# Altium PCB final.PcbDoc
Units mm, origin at the board's own origin, x right, y up, seen from the top; angles counter-clockwise.
Board outline 80 x 40 mm, 2 copper layers (Top Layer, Bottom Layer); 45 components, 26 nets, 122 pads, 20 vias.
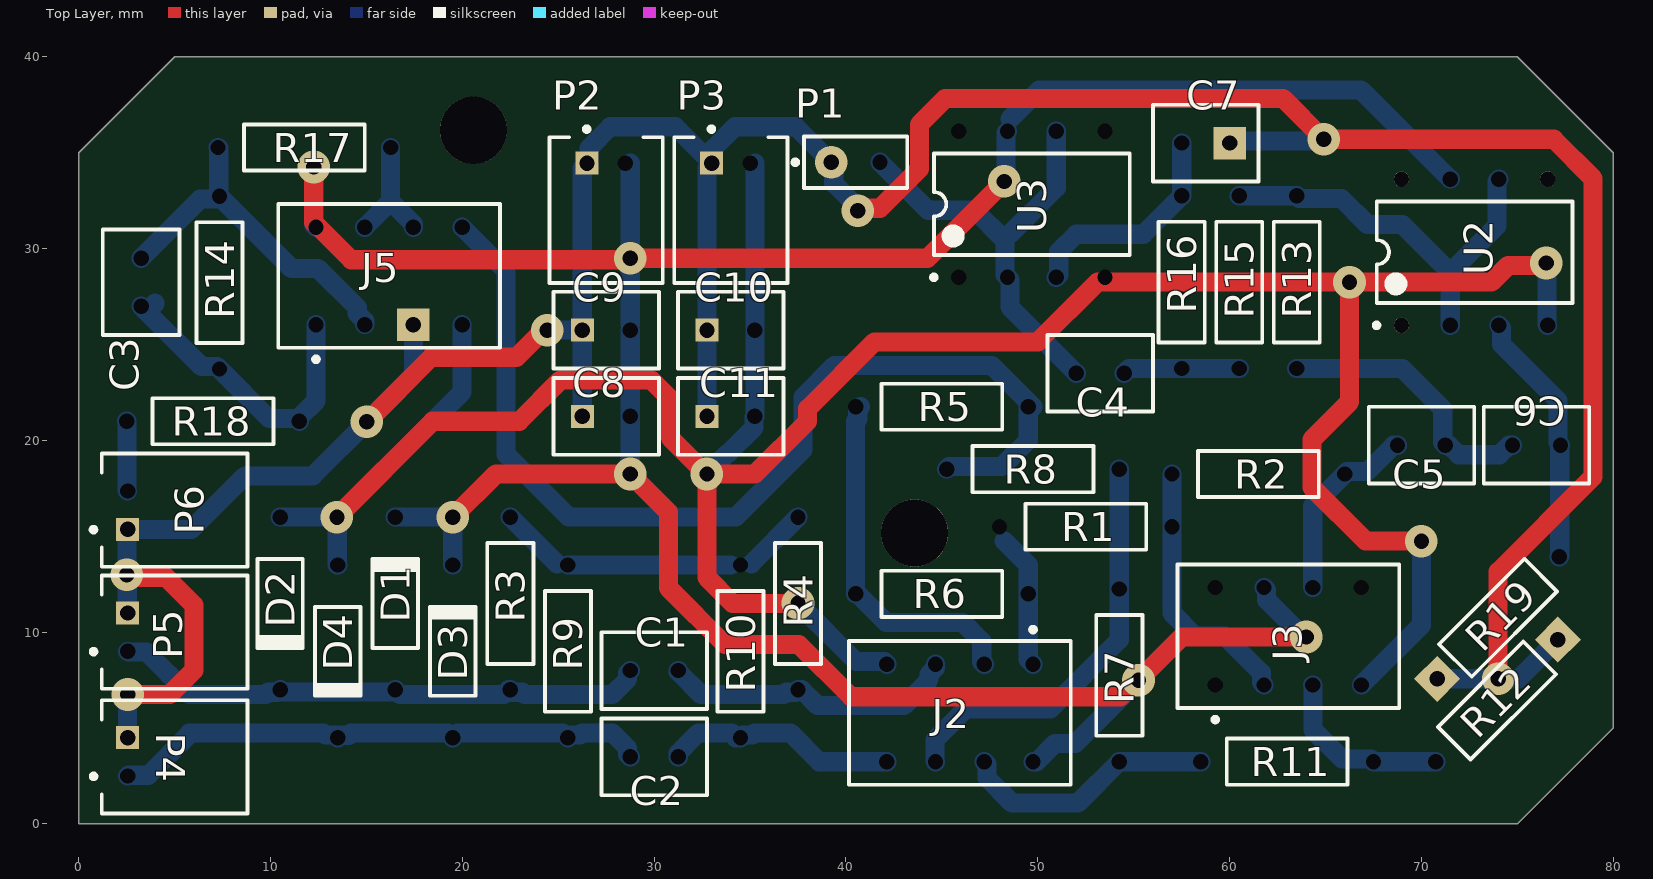
[diagram p0: Top Layer view]
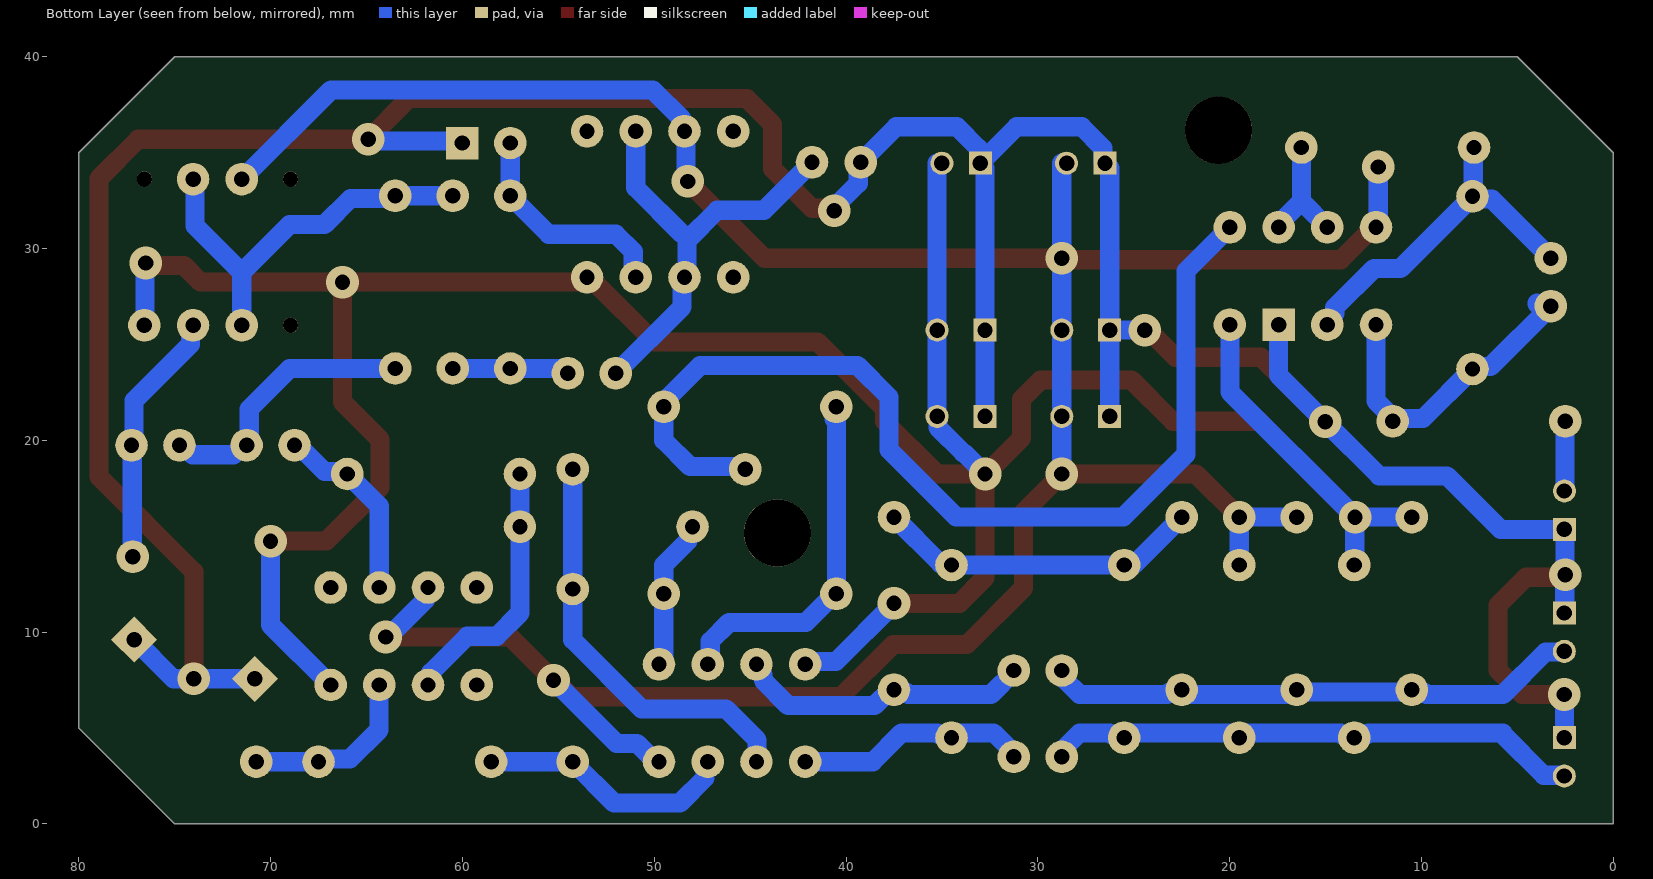
[diagram p1: Bottom Layer view, seen from below]

## Layer stack, top to bottom
Top Solder: solder mask 0.0102, Solder Resist, Dk 3.5
Top Layer: signal copper 0.0356
Dielectric 1: dielectric 0.32, FR-4, Dk 4.8
Bottom Layer: signal copper 0.0356
Bottom Solder: solder mask 0.0102, Solder Resist, Dk 3.5

## Board outline
0,0 0,35 5,40 75,40 80,35 80,5 75,0

## Design rules (kind name [scope] priority, off if disabled: settings)
Clearance [All] p1: gap=0.8 ignorepadtopadclearanceinfootprint=FALSE
HoleSize [All] p1: absolutevalues=TRUE maxlimit=2.54 minlimit=0.8 maxpercent=80.000 minpercent=20.000
PolygonConnect [All] p1: connectstyle=Relief reliefconductorwidth=0.254 reliefentries=4 polygonreliefangle="90 Angle" airgapwidth=0.254
RoutingVias [All] p1: holewidth=0.8 width=1.7 viastyle="Through Hole" minholewidth=0.8 minwidth=1.27 maxholewidth=2 maxwidth=1.7
SolderMaskExpansion [All] p1: expansion=0.102 istentingtop=FALSE
SupplyNets "Schematic Supply Nets" [InNet('GND')] p1: voltage=0.000
Width [All] p1: maxlimit=5 minlimit=1 preferedwidth=1
29 further rules are at their usual default settings.

## Classes and differential pairs
component class Sheet1: C8 C9 C10 C11 P3 P4 P5 P6

## Components (designator, comment, footprint, x,y, rotation, side; value= is the part's Value field where it differs from the comment)
C1 "3.3U" FP-RCE3DB-MFG#1 30,8 r0 top
C2 "3.3U" FP-RCE3DB-MFG#1 30,3.5 r0 top
C3 "1n" FP-RCE3DB-MFG#1 3.25,28.25 r90 top
C4 "470n" FP-RCE3DB-MFG#2 53.25,23.5 r180 top
C5 "3.3U" FP-RCE3DB-MFG#2 70,19.75 r0 top
C6 "1U" FP-RCE3DB-MFG#2 76,19.75 r0 top
C7 "100n" FP-RCE3DB-MFG#3 58.75,35.5 r180 top
C8 "0.1u" FP-RCE3DB-MFG#4 27.5,21.25 r0 top
C9 "100u" FP-RCE3DB-MFG#4 27.5,25.75 r0 top
C10 "0.1u" FP-RCE3DB-MFG#5 34,25.75 r180 top
C11 "100u" FP-RCE3DB-MFG#5 34,21.25 r180 top
D1 "1N4001-T" DIOD-DO-41-P-2_V#1 16.5,11.5 r90 top
D2 "1N4001-T" DIOD-DO-41-P-2_V#1 10.5,11.5 r270 top
D3 "1N4001-T" DIOD-DO-41-P-2_V#2 19.5,9 r90 top
D4 "1N4001-T" DIOD-DO-41-P-2_V#1 13.5,9 r270 top
J2 "08-2511-10" FP-08-2511-10-MFG#1 45.94,5.79 r270 top
J3 "08-2511-10" FP-08-2511-10-MFG#1 63.06,9.79 r90 top
J5 "08-2511-10" FP-08-2511-10-MFG#2 16.177,28.573 r90 top
P1 "61300211121" 61300211121 40.5,34.5 r0 top
P2 "JST" JST-S2B-PH-K-S_V#1 27.5,32 r0 top
P3 "JST" JST-S2B-PH-K-S_V#1 34,32 r0 top
P4 "JST" JST-S2B-PH-K-S_V#2 5,3.5 r90 top
P5 "JST" JST-S2B-PH-K-S_V#2 5,10 r90 top
P6 "JST" JST-S2B-PH-K-S_V#1 4.995,16.361 r90 top
R1 "25K" RESA60-630X240#1 52.5,15.5 r180 top
R2 "25K" RESA60-630X240#1 61.5,18.25 r180 top
R3 "5K" RESA60-630X240#1 22.5,11.5 r270 top
R4 "5K" RESA60-630X240#1 37.5,11.5 r270 top
R5 "250" RESA60-630X240#1 45,21.75 r0 top
R6 "25K" RESA60-630X240#1 45,12 r180 top
R7 "25K" RESA60-630X240#1 54.25,7.75 r90 top
R8 "250" RESA60-630X240#1 49.75,18.5 r0 top
R9 "5K" RESA60-630X240#1 25.5,9 r90 top
R10 "5K" RESA60-630X240#1 34.5,9 r90 top
R11 "25K" RESA60-630X240#1 63,3.25 r180 top
R12 "25K" RESA60-630X240#2 73.932,6.432 r225 top
R13 "1.5K" RESA60-630X240#1 63.5,28.25 r270 top
R14 "1K" RESA60-630X240#1 7.338,28.22 r270 top
R15 "1.5K" RESA60-630X240#1 60.5,28.25 r90 top
R16 "4.7K" RESA60-630X240#1 57.5,28.25 r270 top
R17 "1K" RESA60-630X240#1 11.757,35.269 r180 top
R18 "1M" RESA60-630X240#1 7,21 r180 top
R19 "6.8K" RESA60-630X240#3 74,10.75 r225 top
U2 "LM741CN/NOPB" P0008A#1 72.77,29.81 r90 top
U3 "LM741CN/NOPB" P0008A#2 49.69,32.31 r90 top

## Footprints (in the part's own frame and the unit in brackets; to place one, negate y for a bottom-side part, rotate by r counter-clockwise, add the part's x,y. Pads: shape width x height; smd on the part's side, far side on the other; paste and mask are expansions set on the pad)
61300211121 [mm] "Pin Header, pitch 2.54 mm, THT, Vertical, single row, 2p"
  round 1.7 / inner rrect50% 1.6x1.6 / far side round 1.7 hole 0.8: 1(-1.27,0)
  round 0 / inner round 1.6 / far side round 1.7 hole 0.8: 2(1.27,0)
  silkscreen extent -3.26,-1.34 2.69,1.35, body extent -2.54,-1.27 2.54,1.27, height 8.57
DIOD-DO-41-P-2_V#1 [mm] "2-Leads, Axial Lead, Body 4.635x2.36mm, Pin Spacing 9mm"
  round 0 / inner rect 1.65x1.65 / far side round 1.7 hole 0.8: 1(-4.5,0)
  round 0 / inner round 1.65 / far side round 1.7 hole 0.8: 2(4.5,0)
  silkscreen extent -2.32,-1.18 2.32,1.18, body extent -4.93,-1.18 4.93,1.18, height 2.35
DIOD-DO-41-P-2_V#2 [mm] "2-Leads, Axial Lead, Body 4.635x2.36mm, Pin Spacing 9mm"
  round 0 / inner rect 1.65x1.65 / far side round 1.7 hole 0.8: 1(-4.5,0)
  round 0 / inner round 0 / far side round 1.7 hole 0.8: 2(4.5,0)
  silkscreen extent -2.32,-1.18 2.32,1.18, body extent -4.93,-1.18 4.93,1.18, height 2.35
FP-08-2511-10-MFG#1 [mm]
  round 0 / inner rect 1.39x1.39 / far side round 1.7 hole 0.8 paste-2539.97 mask+0: 1(-2.54,3.81)
  round 0 / inner round 1.39 / far side round 1.7 hole 0.8 paste-2539.97 mask+0: 2(-2.54,1.27) 3(-2.54,-1.27) 4(-2.54,-3.81) 5(2.54,-3.81) 6(2.54,-1.27) 7(2.54,1.27) 8(2.54,3.81)
  silkscreen extent -4.47,-5.78 3.75,5.78, body extent -3.85,-5.88 3.85,5.88, height 0.25
FP-08-2511-10-MFG#2 [mm]
  round 0 / inner rect 1.39x1.39 / far side round 1.7 hole 0.8 paste-1000 mask+0: 1(-2.54,3.81)
  round 0 / inner round 1.39 / far side round 1.7 hole 0.8 paste-1000 mask+0: 2(-2.54,1.27) 4(-2.54,-3.81) 5(2.54,-3.81) 6(2.54,-1.27) 7(2.54,1.27) 8(2.54,3.81)
  rect 1.7x1.7 / inner rect 1.2x1.2 / far side rect 1.7x1.7 hole 0.8 paste-1000 mask+0: 3(-2.54,-1.27)
  silkscreen extent -4.47,-5.78 3.75,5.78, body extent -3.85,-5.88 3.85,5.88, height 0.25
FP-RCE3DB-MFG#1 [mm]
  round 0 / inner rect 1.2x1.2 / far side round 1.7 hole 0.8 paste-1000 mask+0: 1(-1.25,0)
  round 0 / inner round 1.2 / far side round 1.7 hole 0.8 paste-1000 mask+0: 2(1.25,0)
  silkscreen extent -2.75,-2 2.75,2, body extent -2.85,-2.1 2.85,2.1, height 0.25
FP-RCE3DB-MFG#2 [mm]
  round 0 / inner rect 1.2x1.2 / far side round 1.7 hole 0.8 paste-2539.97 mask+0: 1(-1.25,0)
  round 0 / inner round 1.2 / far side round 1.7 hole 0.8 paste-2539.97 mask+0: 2(1.25,0)
  silkscreen extent -2.75,-2 2.75,2, body extent -2.85,-2.1 2.85,2.1, height 0.25
FP-RCE3DB-MFG#3 [mm]
  rect 1.7x1.7 / inner rect 1.2x1.2 / far side rect 1.7x1.7 hole 0.8 paste-2539.97 mask+0: 1(-1.25,0)
  round 0 / inner round 1.2 / far side round 1.7 hole 0.8 paste-2539.97 mask+0: 2(1.25,0)
  silkscreen extent -2.75,-2 2.75,2, body extent -2.85,-2.1 2.85,2.1, height 0.25
FP-RCE3DB-MFG#4 [mm]
  rect 1.2x1.2 hole 0.8 paste-2539.97 mask+0: 1(-1.25,0)
  round 0 / inner round 1.2 / far side round 1.2 hole 0.8 paste-2539.97 mask+0: 2(1.25,0)
  silkscreen extent -2.75,-2 2.75,2, body extent -2.85,-2.1 2.85,2.1, height 0.25
FP-RCE3DB-MFG#5 [mm]
  rect 0x0 / inner rect 1.2x1.2 / far side round 1.2 hole 0.8 paste-2539.97 mask+0: 1(-1.25,0)
  rect 1.2x1.2 hole 0.8 paste-2539.97 mask+0: 2(1.25,0)
  silkscreen extent -2.75,-2 2.75,2, body extent -2.85,-2.1 2.85,2.1, height 0.25
JST-S2B-PH-K-S_V#1 [mm] "THD, 2-Leads, Body 7.6x5.9mm, Pitch 2mm"
  rect 1.2x1.2 hole 0.8: 1(-1,2.45)
  round 0 / inner round 1.2 / far side round 1.2 hole 0.8: 2(1,2.45)
  silkscreen extent -2.95,-3.8 2.95,4.35, body extent -2.95,-3.8 2.95,3.8, height 4.8
JST-S2B-PH-K-S_V#2 [mm] "THD, 2-Leads, Body 7.6x5.9mm, Pitch 2mm"
  round 0 / inner rect 1.2x1.2 / far side round 1.2 hole 0.8: 1(-1,2.45)
  rect 1.2x1.2 hole 0.8: 2(1,2.45)
  silkscreen extent -2.95,-3.8 2.95,4.35, body extent -2.95,-3.8 2.95,3.8, height 4.8
P0008A#1 [mm] "DIP, 8-Leads, Body 10.15x6.6mm, Pitch 2.54mm"
  round 0.8 / inner rect 1.5x1.5 / far side round 0.8 hole 0.8: 1(-3.81,3.81)
  round 0 / inner round 1.5 / far side round 1.7 hole 0.8: 2(-3.81,1.27) 3(-3.81,-1.27) 4(-3.81,-3.81) 6(3.81,-1.27) 7(3.81,1.27)
  round 0.8 / inner round 1.5 / far side round 0.8 hole 0.8: 5(3.81,-3.81) 8(3.81,3.81)
  silkscreen extent -3.93,-5.1 2.65,5.23, body extent -3.95,-5.07 3.95,5.07, height 5.08
P0008A#2 [mm] "DIP, 8-Leads, Body 10.15x6.6mm, Pitch 2.54mm"
  round 0 / inner rect 1.5x1.5 / far side round 1.7 hole 0.8: 1(-3.81,3.81)
  round 0 / inner round 1.5 / far side round 1.7 hole 0.8: 2(-3.81,1.27) 3(-3.81,-1.27) 4(-3.81,-3.81) 5(3.81,-3.81) 6(3.81,-1.27) 7(3.81,1.27) 8(3.81,3.81)
  silkscreen extent -3.93,-5.1 2.65,5.23, body extent -3.95,-5.07 3.95,5.07, height 5.08
RESA60-630X240#1 [mm] "Axial Resistor, 2-Leads, Dia 2.4mm, Body Length 6.3mm"
  round 0 / inner rect 1.35x1.35 / far side round 1.7 hole 0.8: 1(-4.5,0)
  round 0 / inner round 1.35 / far side round 1.7 hole 0.8: 2(4.5,0)
  silkscreen extent -3.15,-1.2 3.15,1.2, body extent -3.15,-1.2 3.15,1.2, height 2.4
RESA60-630X240#2 [mm] "Axial Resistor, 2-Leads, Dia 2.4mm, Body Length 6.3mm"
  rect 1.7x1.7 / inner rect 1.35x1.35 / far side rect 1.7x1.7 hole 0.8: 1(-4.5,0)
  round 0 / inner round 1.35 / far side round 1.7 hole 0.8: 2(4.5,0)
  silkscreen extent -3.15,-1.2 3.15,1.2, body extent -3.15,-1.2 3.15,1.2, height 2.4
RESA60-630X240#3 [mm] "Axial Resistor, 2-Leads, Dia 2.4mm, Body Length 6.3mm"
  round 0 / inner rect 1.35x1.35 / far side round 1.7 hole 0.8: 1(-4.5,0)
  rect 1.7x1.7 / inner round 1.35 / far side rect 1.7x1.7 hole 0.8: 2(4.5,0)
  silkscreen extent -3.15,-1.2 3.15,1.2, body extent -3.15,-1.2 3.15,1.2, height 2.4

## Part data
C1 C2 C3 C4 C5 C6 C7 C8 C9 C10 C11: library part CMP-06035-005830-1, "Cap Ceramic 10uF 25V X7R ±10% Radial 2.5mm +125°C Automotive Ammo Pack", Capacitance=10uF, Case/Package=Radial, Dielectric=X7R, Max Operating Temperature=125°C, Min Operating Temperature=-55°C, Package Quantity=1500, Ratings=AEC-Q200, Resistor Type=Ceramic, Tolerance=10%, Voltage Rating=25V, Height=5mm, Height - Seated (Max)=0.197inch, Lead Diameter=0.5mm, Lead Pitch=0.098inch, Lead/Base Style=Straight, Length=0.217inch, Mount="Through Hole", Packaging="Tape and Reel", Termination=Radial, Voltage Rating (DC)=25V, Width=0.157inch
D1 D2 D3 D4: library part CMP-0639-00006-2, "1.0 A Rectifier, 15 pF, 50 V, -65 to 150 degC, 2-Pin DO-41 Plastic, RoHS, Tape and Reel", Manufacturer="Diodes Inc", Max. Average Rectified Current IO (A)=1, Operating Temperature Range (degC)="-65 to 150", ComponentLink1Description="Manufacturer URL", ComponentLink1URL=http://diodes.com/, ComponentLink2Description=Datasheet, ComponentLink2URL=http://diodes.com/datasheets/ds28002.pdf, CT (pF)=15, DatasheetVersion="Rev. 8-2", Max. IFSM (A)=30, Max. IR (uA)=5, Mounting Technology="Through Hole", PackageDescription="2-Pin Axial Lead, Body 4.635 x 2.36 mm, Lead Spread 25.4 mm", PackageReference=DO-41-P-2, Packing="Tape and Reel", PartNumber=1N4001-T, RoHS=TRUE, VF (V)=1, VRRM (V)=50
J2 J3 J5: library part CMP-40957-000003-1, "CONN IC DIP SOCKET 8POS TIN", Current Rating=1A, Manufacturer="Aries Electronics", Package=0, Socket Package=DIP8, Temperature="-55°C to +105°C", Temperature Range High=+105°C, Temperature Range Low=-55°C, Automotive=No, Category=Conn, ComponentLink2Description=Datasheet, ComponentLink2URL=https://www.arieselec.com/products/data/12004-dip-test-socket.pdf, Conn Gender=Female, Conn Orientation=Vertical, Contact Material=Tin, Device Class L1=Connectors, Device Class L2="IC and Component Sockets", Device Class L3=unset, Digikey Description="CONN IC DIP SOCKET 8POS TIN", Height=7.75mm, Is Female=yes, Lead Free=Yes, Manufacturer Part Number=08-2511-10, Number Of Contacts=8, Number Of Rows=2, Octopart=https://octopart.com/08-2511-10-aries-767661, Pitch=2.54mm, RoHS=TRUE, Standoff Height=0.51mm
P1: library part CMP-1712-00002-6, Color=Black, Contact Resistance=20mΩ, Current Rating=3A, Max Operating Temperature=125°C, Min Operating Temperature=-40°C, Operating Supply Voltage=250V, Connector Type="Male Pin", Contact Gender=Male, Contact Material=Copper, Contact Mating Length=5.9944mm, Contact Plating=Gold, Gender=Male, Height=8.94mm, Housing Material=PBT, Lead Free="Lead Free", Lead Pitch=2.54mm, Mount="Through Hole", NexarPartId=20081794, Number Of Contacts=2, Number of Pins=2, Number of Positions=2, Number Of Rows=1, Orientation=Vertical, Packaging=Bulk, Pitch=2.54mm, REACH SVHC="No SVHC", RoHS=Compliant, Termination="Through Hole", Voltage Rating=250V
P2 P3 P4 P5 P6: library part CMP-1755-00004-1, "Male Header, Pitch 2 mm, 1 x 2 Position, Height 4.8 mm, Tail Length 3.4 mm, -25 to 85 degC, RoHS, Bulk", Capacitance="10 uF", Case\Package=Radial, Max Operating Temperature="85 degC", Min Operating Temperature="-40 degC", Package Quantity=200, Tolerance=20%, Voltage Rating="50 V", ComponentLink1Description=Datasheet, ComponentLink1URL=http://www.jst-mfg.com/product/pdf/eng/ePH.pdf, DatasheetVersion=Dec-12, Diameter="5 mm", Height="11 mm", Lead Pitch="2 mm", Length="11 mm", Mount="Through Hole", PackageDescription="Male Header, Pitch 2 mm, 1 x 2 Position, Height 4.8 mm, Tail Length 3.4 mm", PackageReference=S2B-PH-K-S, Packaging=Bulk, Pins=2, Radiation Hardening=No, REACH SVHC="No SVHC", RoHSCompliant=true, Voltage Rating (DC)="50 V"
R1 R2 R3 R4 R5 R6 R7 R8 R9 R10 R11 R12 R13 R14 R15 R16 R17 R18 R19: library part CMP-1659-00075-1, "Axial Resistor, 1 KOhm, +/- 1%, 250 mW, -55 to 155 degC, 2-Pin THD, RoHS, Bulk", Case\Package=Axial, Max Operating Temperature="155 degC", Min Operating Temperature="-55 degC", Package Quantity=200, Power Rating="250 mW", Resistance="10 kohm", Tolerance=1%, Voltage Rating="250 V", ComponentLink1Description="Manufacturer URL", ComponentLink1URL=http://www.yageo.com/, ComponentLink2Description=Datasheet, ComponentLink2URL=http://www.yageo.com/documents/recent/Yageo%20LR_MFR_2013.pdf, DatasheetVersion=Apr-13, Length="0.248 inch", PackageDescription="2-Pin Axial Lead, Dia 2.4 mm, Body Length 6.3 mm", PackageReference=MFR-25, Packaging=Bulk, RoHSCompliant=true
U2 U3: library part CMP-0055-00162-3, "Operational Amplifier, 8-pin MDIP, Pb-Free", Manufacturer="Texas Instruments", Package Reference=P0008A, PackageTopMarking=NSUZXYTTE#*LM*741CN, PowerWise=N, Code_JEDEC=MS-001-BA, ComponentLink1Description="Datasheet URL", ComponentLink1URL=http://www.ti.com/general/docs/lit/getliterature.tsp?genericPartNumber=LM741&fileType=pdf, CompType=Amplifiers, PackageDescription="MDIP, .365 x .250 x .130in, 8 Lead, .100in Pitch", PinCount=8, RoHS=Y

## Free pads (board coordinates)
  round 3.5 hole 3.5: 2(20.577,36.17)
  round 3.5 / inner round 0 / far side round 3.5 hole 3.5: 2(43.577,15.17)

## Via types
v1: diameter 1.7, hole 0.8, Top Layer to Bottom Layer, 16 vias
v2: diameter 1.7/1.7 (per signal layer), hole 0.8, Top Layer to Bottom Layer, 4 vias

## Nets (pads, with @x,y where several pads share a name; then routed paths per layer and width w, separated by ;. In a path a pad name is that pad's centre, name@x,y a point inside that pad or via, vN(x,y) a via of type N, cw(c..) or ccw(c..) an arc to the next point about the centre after c; other vN are vias at no path point)
3.3V: C8.2 C9.2 D1.2 D3.2 J2.8 J3.7 J5.8 P2.2 U2.7 U3.7 | length 158.8
  Top Layer w1: v1(12.25,34.25) 12.25,31.366 14.203,29.413 28.663,29.413 v1(28.75,29.5) 44.25,29.5 v1(48.25,33.5) ; v2(19.5,16) 21.75,18.25 v1(28.75,18.25) 30.75,16.25 30.75,12.3 33.7,9.35 37.554,9.35 40.274,6.63 54.314,6.63 55.184,7.5 v1(55.25,7.5) 57.5,9.75 v1(64,9.75)
  Bottom Layer w1: v1(12.25,34.25) 12.25,31.23 J5.8 ; D1.2 v2(19.5,16) D3.2 ; v1(28.75,18.25) C8.2 C9.2 ; C9.2@28.75,26.054 P2.2@28.75,34.45 ; v1(48.25,33.5) 48.335,33.585 48.335,36.035 U3.7 ; U3.7@48.554,36.755 50.069,38.27 66.85,38.27 U2.7 ; J2.8 49.939,3.25 50.889,4.2 51.95,4.2 v1(55.25,7.5) ; J3.7 61.924,12.196 61.924,11.696 63.869,9.75 v1(64,9.75)
-3.3V: C10.1 C11.1 D2.1 D4.1 J2.4 J3.4 J5.4 P3.2 U2.4 U3.4 | length 156.7
  Top Layer w1: v2(13.459,16) 18.459,21 22.962,21 25.112,23.15 29.85,23.15 30.843,22.157 30.843,20.119 32.712,18.25 v1(32.75,18.25) ; v1(37.5,11.5) 34.096,11.5 32.75,12.846 v1(32.75,18.25) ; v1(70,14.75) 67.096,14.75 64.3,17.546 64.3,20.05 66.25,22 v1(66.25,28.25) ; v1(76.5,29.25) 76.366,29.116 74.516,29.116 73.65,28.25 v1(66.25,28.25) ; v1(32.75,18.25) 35.25,18.25 38,21 38,21.654 41.481,25.135 49.999,25.135 53.114,28.25 60.5,28.25 v1(66.25,28.25)
  Bottom Layer w1: D2.1 v2(13.459,16) ; D4.1 13.48,13.52 13.48,15.98 v2(13.459,16) ; J5.4 19.987,22.527 v2(13.459,16) ; v1(32.75,18.25) 33.85,19.35 33.888,19.35 35.212,20.673 35.212,21.212 C11.1 C10.1 P3.2@35.25,34.45 ; v1(37.5,11.5) 40.536,8.464 41.996,8.464 J2.4 ; J3.4 70,10.38 v1(70,14.75) ; v1(76.5,29.25) 76.54,29.21 76.54,26.04 U2.4
"DRL In": J5.5 R5.2 R8.1 | length 54
  Bottom Layer w1: J5.5 22.281,28.819 22.281,19.259 25.541,16 34.25,16 37.75,19.5 37.75,22.25 39.4,23.9 47.6,23.9 R5.2@49.75,21.75 ; R8.1 45.384,18.634 48.134,18.634 49.5,20 R5.2
GND: C7.1 C8.1 C9.1 C10.2 C11.2 J5.3 P1.1 P2.1 P3.1 P4.2 P5.2 P6.1 R12.1 R19.2 | length 182.5
  Top Layer w1: v2(2.5,13) 2.634,12.866 4.548,12.866 6,11.414 6,8 4.75,6.75 v2(2.547,6.75) ; v1(15.023,20.977) 18.379,24.333 22.825,24.333 24.242,25.75 v1(24.431,25.75) ; v1(40.608,31.966) 40.742,32.1 41.774,32.1 43.825,34.151 43.825,36.469 45.176,37.82 62.791,37.82 v1(64.911,35.7) 76.904,35.7 78.95,33.654 78.95,18.104 74,13.154 v1(74,7.568)
  Bottom Layer w1: v2(2.547,6.75) 2.547,4.753 P4.2@2.55,4.75 ; P5.2 2.525,11.025 2.525,12.975 v2(2.5,13) 2.523,13.023 2.523,15.338 P6.1 5.881,15.361 8.671,18.15 12.196,18.15 v1(15.023,20.977) 17.447,23.401 J5.3 ; v1(24.431,25.75) C9.1 ; C8.1 C9.1 ; C11.2 C10.2 32.75,34.2 P3.1 ; v1(40.608,31.966) 40.608,32.155 39.364,33.399 39.364,34.366 P1.1 37.38,36.35 34.213,36.35 33.1,35.237 33.1,34.55 P3.1 ; C7.1 60.1,35.6 64.811,35.6 v1(64.911,35.7) ; R19.2 v1(74,7.568) 75.068,7.568 R12.1 ; C9.1 26.25,34.2 P2.1 26.6,34.55 26.6,35.237 27.713,36.35 31.1,36.35 P3.1
NetC4_1: C4.1 R15.1 R16.2 | length 6.1
  Bottom Layer w1: C4.1 54.75,23.75 R16.2 R15.1
NetC5_2: C5.2 C6.1 R13.2 | length 14.3
  Bottom Layer w1: R13.2 69,23.75 71.116,21.634 71.116,19.884 C5.2 71.439,19.75 71.939,19.25 74.061,19.25 74.561,19.75 C6.1
NetC6_2: C6.2 R19.1 U2.3 | length 13.4
  Bottom Layer w1: U2.3 74.174,25.866 74.174,25.016 77.116,22.073 77.116,19.884 C6.2 77.216,19.716 77.216,13.966 R19.1
NetC7_2: C7.2 R16.1 U3.3 | length 11.8
  Bottom Layer w1: U3.3 51.094,28.634 51.094,29.844 52,30.75 55.5,30.75 R16.1 C7.2
NetR3_1: R3.1 R4.1 R9.2 R10.2 | length 15.4
  Bottom Layer w1: R3.1 R9.2@24.933,13.567 ; R9.2 R10.2@34,13.5 ; R10.2@35.067,13.567 R4.1
NetR13_1: R13.1 R15.2 U2.2 U2.6 | length 21.3
  Bottom Layer w1: R15.2 R13.1 63.634,32.616 65.823,32.616 67.189,31.25 69,31.25 71.5,28.75 ; U2.2 71.5,28.75 ; U2.6 73.944,33.524 73.944,31.194 71.5,28.75
"Out 1": C5.1 J3.6 R2.1 | length 10
  Bottom Layer w1: J3.6 64.33,16.58 R2.1 66.134,18.384 67.195,18.384 68.561,19.75 C5.1
"Out 2": C4.2 P1.2 U3.2 U3.6 | length 23
  Bottom Layer w1: P1.2 44.27,32 46.709,32 48.286,30.423 48.286,28.634 U3.2 48.554,28.366 48.554,26.946 C4.2 ; 48.554,30.763 50.96,33.169 50.96,34.179 U3.6
"Pin 1_1": J2.1 R1.2 R6.1 | length 7
  Bottom Layer w1: R1.2@48.25,14.75 49.5,13.5 R6.1 49.5,8.58 J2.1
"Pin 1_2": J2.2 R5.1 R6.2 | length 18.7
  Bottom Layer w1: R5.1@40.75,21.75 40.616,21.616 40.616,21.121 40.5,21.005 R6.2 40.595,12 42.095,10.5 46.104,10.5 47.08,9.524 47.08,8.46 J2.2
"Pin 1_6": J2.6 R7.2 R8.2 | length 21.8
  Bottom Layer w1: J2.6 44.637,3.283 44.637,4.387 46.25,6 50.648,6 54.25,9.602 R7.2 R8.2
"Pin 1_7": J2.7 R7.1 R11.2 | length 13.5
  Bottom Layer w1: J2.7 47.344,3.116 47.344,2.406 48.65,1.1 52.1,1.1 R7.1 56.5,3.25 R11.2
"Pin 2_2": J3.2 R1.1 R2.2 | length 13.9
  Bottom Layer w1: R2.2 R1.1 57,11 58.21,9.79 59.751,9.79 61.656,7.884 61.656,7.384 J3.2
"Pin 2_3": J3.3 R11.1 R12.2 | length 9.4
  Bottom Layer w1: J3.3 64.35,7.23 64.35,4.9 65.866,3.384 67.366,3.384 R11.1 R12.2
"Pin 3_1": C3.1 J5.1 R14.2 R18.1 | length 16
  Bottom Layer w1: C3.1 6.396,23.854 7.204,23.854 R14.2 9.924,21.134 11.366,21.134 R18.1 ; C3.1@3.979,27.112 C3.1@3.979,27.146 ; R18.1@11.5,21.189 12.367,22.056 J5.1
"Pin 3_2": C3.2 J5.2 R14.1 R17.2 | length 18.6
  Bottom Layer w1: C3.2 6.336,32.586 7.204,32.586 R14.1 ; R17.2 7.298,35.229 7.298,32.76 R14.1 ; J5.2 14.907,26.223 14.517,26.613 14.517,26.924 12.477,28.963 11.094,28.963 R14.1
"Pin 3_6": J5.6 J5.7 R17.1 | length 6.6
  Bottom Layer w1: J5.7 16.257,32.464 ; R17.1 16.257,32.464 ; J5.6 17.447,31.274 16.257,32.464
"Signal 1": C1.1 D1.1 D2.2 P5.1 R3.2 | length 28.4
  Bottom Layer w1: P5.1 2.588,8.962 3.538,8.962 5.75,6.75 9.755,6.75 9.871,6.866 10.366,6.866 D2.2 10.624,6.876 16.376,6.876 D1.1 16.75,6.75 22.155,6.75 22.405,7 R3.2 22.634,6.866 23.129,6.866 23.245,6.75 27.814,6.75 28.616,7.552 28.616,7.866 C1.1
"Signal 2": C2.1 D3.1 D4.2 P4.1 R9.1 | length 28.5
  Bottom Layer w1: P4.1 2.588,2.538 3.627,2.538 5.75,4.662 5.75,4.75 12.755,4.75 12.871,4.634 13.366,4.634 D4.2 13.624,4.624 14.084,4.624 14.21,4.75 19.25,4.75 D3.1 19.75,4.75 25.25,4.75 R9.1 25.634,4.634 26.129,4.634 26.245,4.75 27.814,4.75 28.616,3.948 28.616,3.634 C2.1
"Signal +": C1.2 J2.3 R4.2 | length 15.4
  Bottom Layer w1: C1.2 31.25,7.936 32.436,6.75 36.755,6.75 36.871,6.866 37.366,6.866 R4.2 ; R4.2@37.689,7 38.509,6.18 43.021,6.18 44.28,7.439 44.28,7.53 44.32,7.57 44.32,7.791 44.67,8.141 J2.3
"Signal -": C2.2 J2.5 R10.1 | length 12.1
  Bottom Layer w1: C2.2 31.25,3.689 31.6,4.039 31.6,4.048 32.302,4.75 34.061,4.75 34.25,4.561 R10.1@34.25,4.5 ; R10.1 34.634,4.634 35.129,4.634 35.245,4.75 37.108,4.75 38.608,3.25 J2.5
"Signal DRL": P6.2 R18.2 | length 3.7
  Bottom Layer w1: R18.2 2.523,20.977 2.523,17.383 P6.2
pads on no net: J3.1 J3.5 J3.8 U2.1 U2.5 U2.8 U3.1 U3.5 U3.8